# KiCad board Lab2_starter 2.kicad_pcb
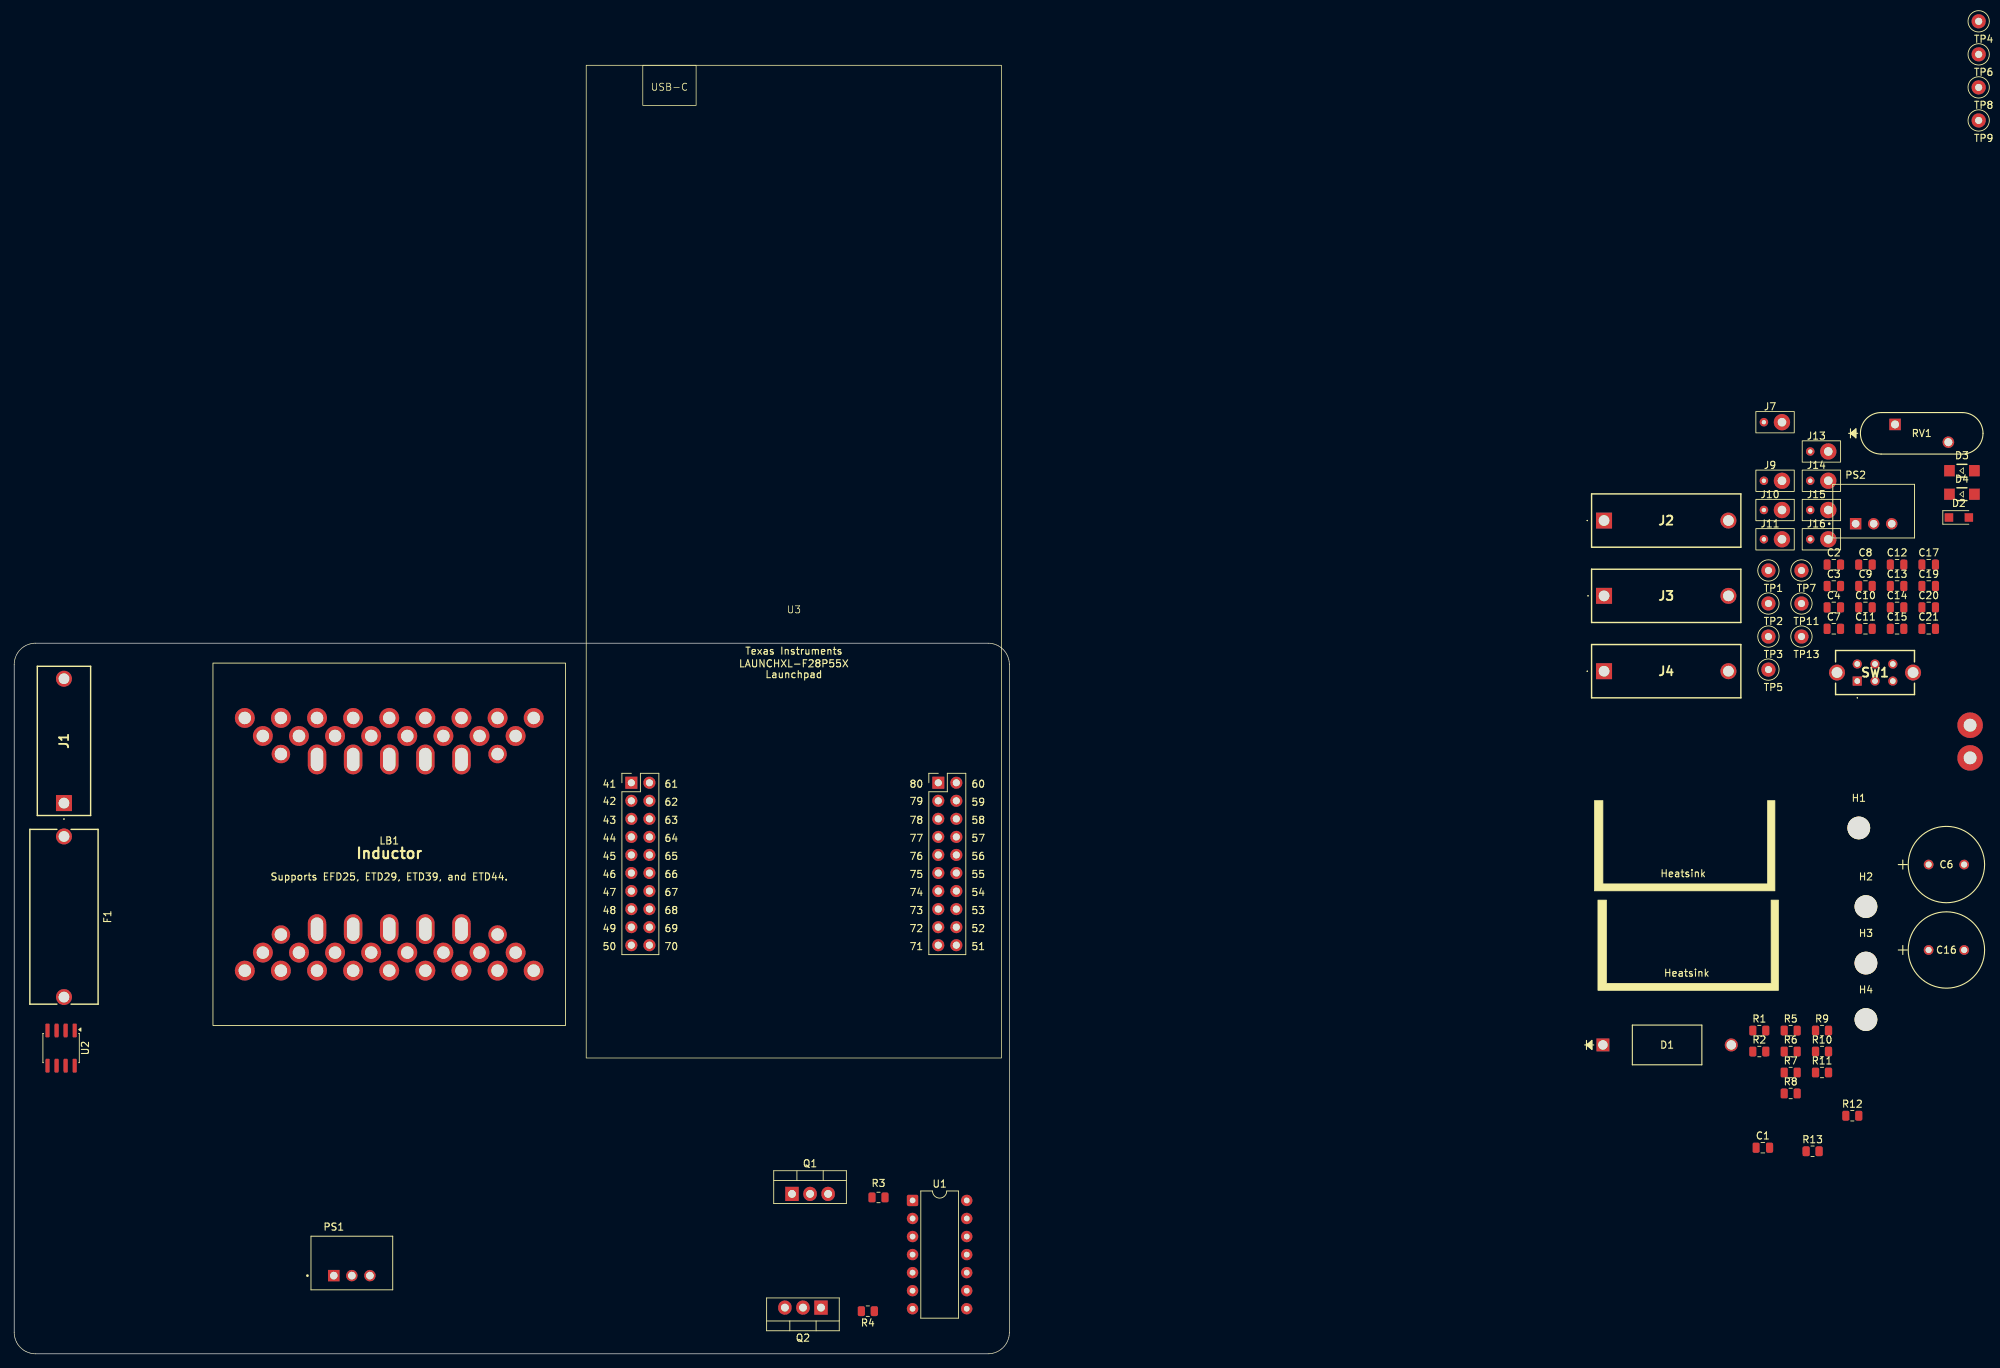
[diagram p0: board, top side]
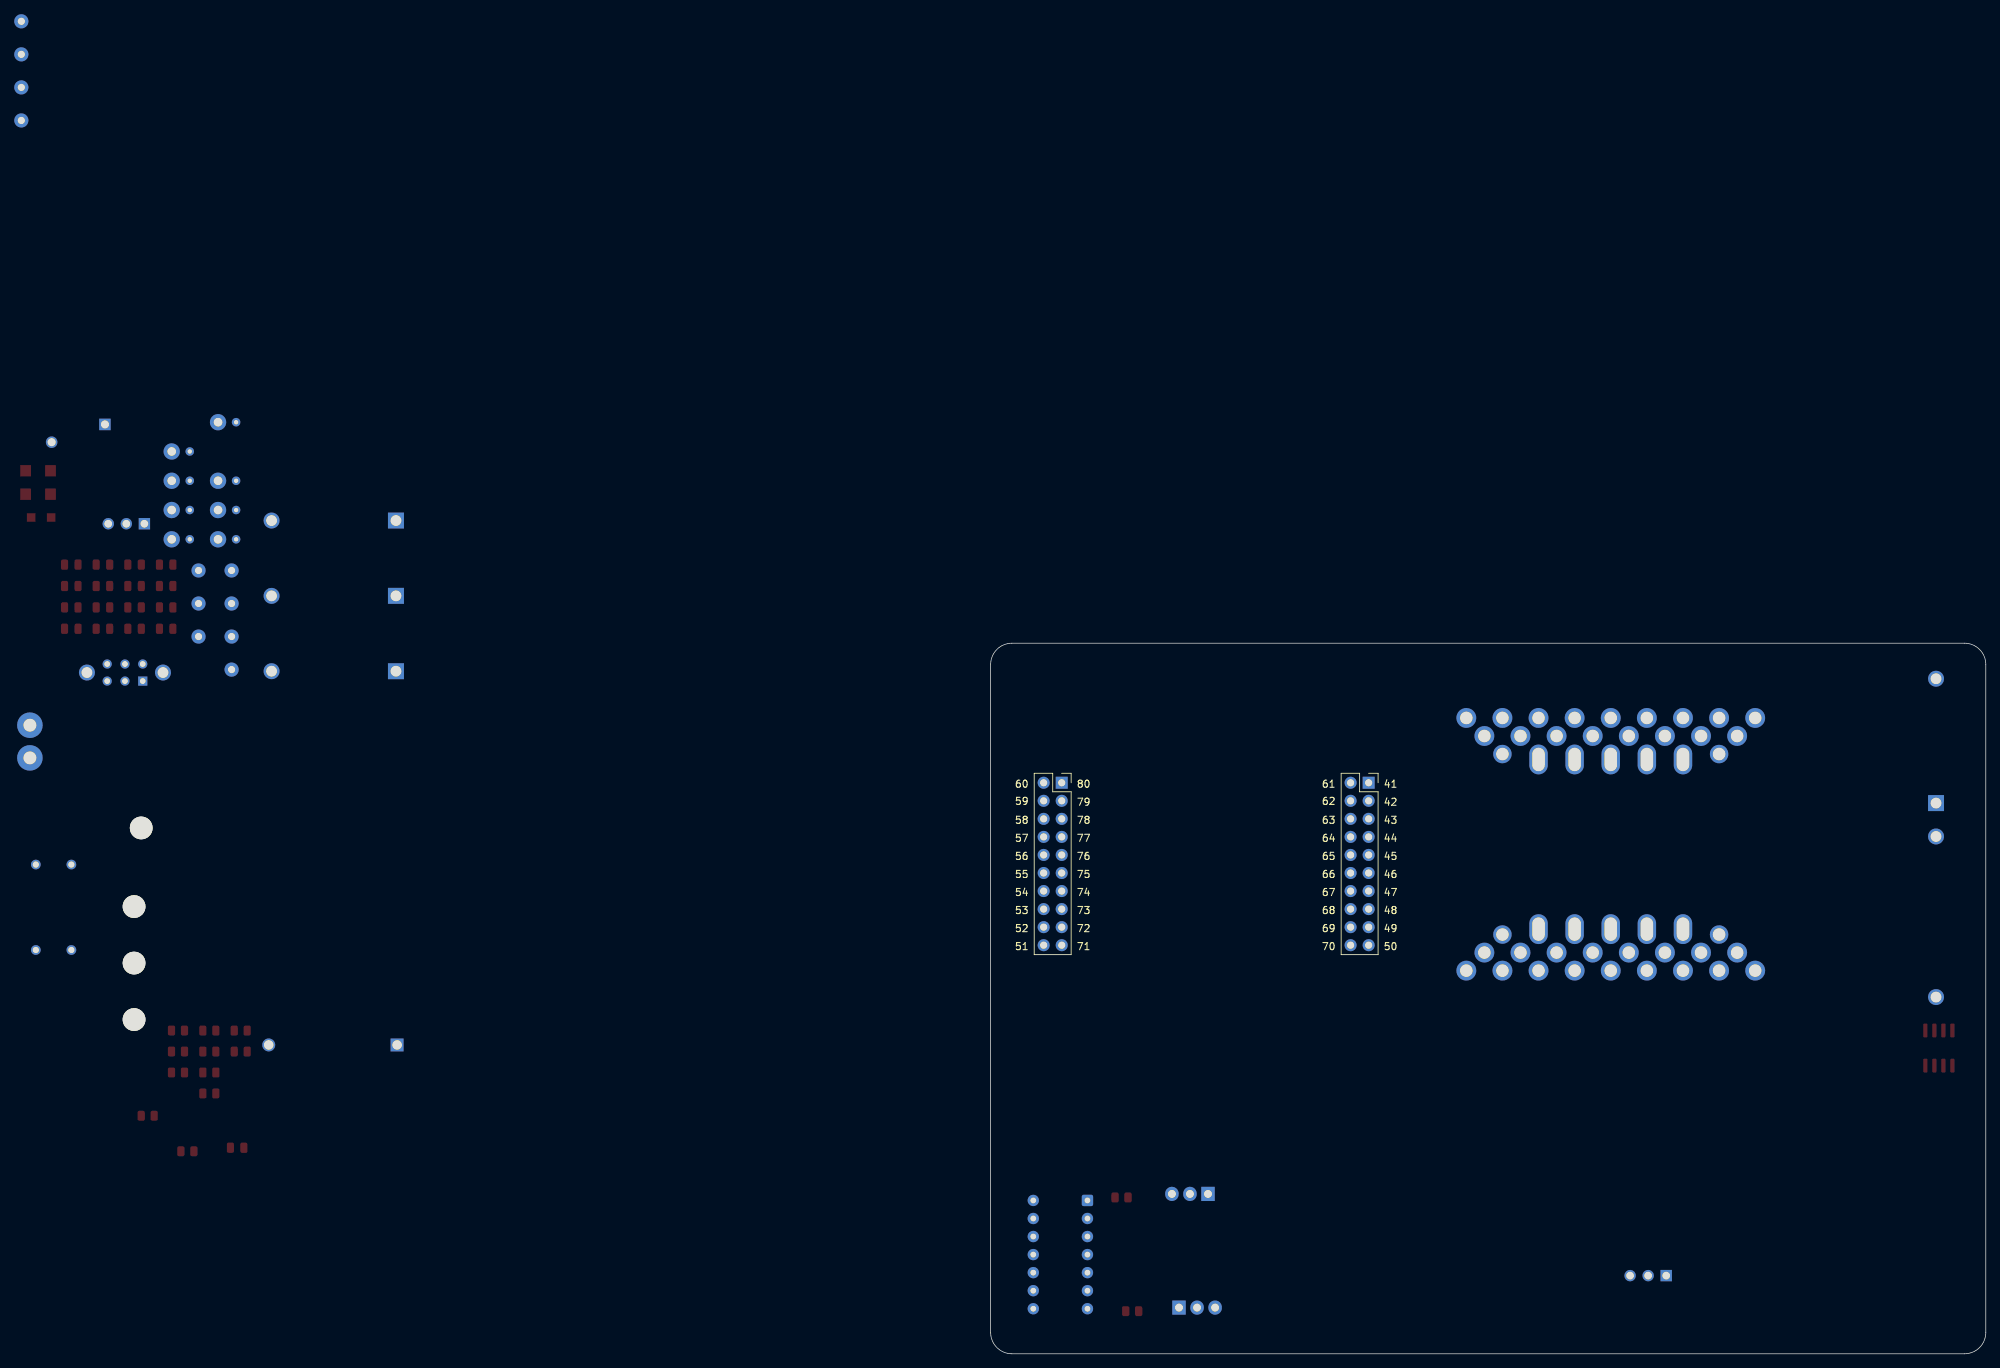
[diagram p1: board, bottom side, seen from below]

Outline 140 x 100 mm; copper layers: Top, In1.Cu, In2.Cu, Bottom. Coordinates in mm from the lower left corner of the outline.
Outline path: 0,97 arc(0.88,99.12) 3,100 137,100 arc(139.12,99.12) 140,97 140,3 arc(139.12,0.88) 137,0 3,0 arc(0.88,0.88) 0,3 0,97
Stack: Top 0.035mm / dielectric 0.1mm FR4 er 4.5 / In1.Cu 0.035mm / dielectric 1.24mm FR4 er 4.5 / In2.Cu 0.035mm / dielectric 0.1mm FR4 er 4.5 / Bottom 0.035mm

## Placement (name value [footprint] x y rotation side)
C1  100pF  [C_0805_2012Metric]  246 29 0 top
C2  0.1μF  [C_0805_2012Metric]  255.99 111.06 0 top
C3  4.7μF  [C_0805_2012Metric]  255.99 108.05 0 top
C4  0.1μF  [C_0805_2012Metric]  255.99 105.03 0 top
C6  100uF  [16PX2200MEFC10X20]  269.33 68.85 0 top
C7  10uF  [C_0805_2012Metric]  255.99 102.03 0 top
C8  100pF  [C_0805_2012Metric]  260.44 111.06 0 top
C9  0.01μF  [C_0805_2012Metric]  260.44 108.05 0 top
C10  10uF  [C_0805_2012Metric]  260.44 105.03 0 top
C11  100pF  [C_0805_2012Metric]  260.44 102.03 0 top
C12  0.1μF  [C_0805_2012Metric]  264.88 111.06 0 top
C13  10uF  [C_0805_2012Metric]  264.88 108.05 0 top
C14  100pF  [C_0805_2012Metric]  264.88 105.03 0 top
C15  1μF  [C_0805_2012Metric]  264.88 102.03 0 top
C16  100uF  [16PX2200MEFC10X20]  269.33 56.82 0 top
C17  10uF  [C_0805_2012Metric]  269.33 111.06 0 top
C19  1μF  [C_0805_2012Metric]  269.33 108.05 0 top
C20  0.1μF  [C_0805_2012Metric]  269.33 105.03 0 top
C21  1μF  [C_0805_2012Metric]  269.33 102.03 0 top
D1  D_Zener  [1.5KE75A]  223.5 43.46 0 top
D2  PMEG10020ELR  [Nexperia_CFP3_SOD-123W]  273.58 117.69 0 top
D3  RED LED  [WL-SMRW_1206_REC]  274.01 124.27 0 top
D4  GREEN LED  [WL-SMRW_1206_REC]  274.01 120.97 0 top
F1  Fuse  [696108003002]  7 61.5 270 top
H1  MountingHole  [MountingHole_3.2mm_M3]  259.5 74 0 top
H2  MountingHole  [MountingHole_3.2mm_M3]  260.5 62.94 0 top
H3  MountingHole  [MountingHole_3.2mm_M3]  260.5 54.99 0 top
H4  MountingHole  [MountingHole_3.2mm_M3]  260.5 47.03 0 top
HS1  Heatsink  [HSS-B20-NPS-01]  235 71.5 0 top
HS2  Heatsink  [HSS-B20-NPS-01]  235.5 57.5 0 top
J1  -  [973582101]  7 77.5 90 top
J2  -  [973582100]  223.66 117.26 0 top
J3  -  [973582101]  223.66 106.66 0 top
J4  -  [973582100]  223.66 96.06 0 top
J5  Conn_01x01  [Inductor_wire_conn]  275.16 88.46 0 top
J6  Conn_01x01  [Inductor_wire_conn]  275.16 83.86 0 top
J7  Conn_01x02  [TP]  247.42 131.1 0 top
J9  Conn_01x02  [TP]  247.42 122.86 0 top
J10  Conn_01x02  [TP]  247.42 118.74 0 top
J11  Conn_01x02  [TP]  247.42 114.62 0 top
J13  Conn_01x02  [TP]  253.94 126.98 0 top
J14  Conn_01x02  [TP]  253.94 122.86 0 top
J15  Conn_01x02  [TP]  253.94 118.74 0 top
J16  Conn_01x02  [TP]  253.94 114.62 0 top
LB1  ~  [InductorBobbin]  52.76 71.7 0 top
PS1  -  [R-78K3.3-1.0]  47.5 12.78 0 top
PS2  -  [R-78K12-0.5]  261.59 118.59 0 top
Q1  NMOS  [TO-220-3_Vertical]  109.42 22.5 0 top
Q2  NMOS  [TO-220-3_Vertical]  113.5 6.5 180 top
R1  82.5k  [R_0805_2012Metric]  245.5 45.49 0 top
R2  3.3k  [R_0805_2012Metric]  245.5 42.53 0 top
R3  1  [R_0805_2012Metric]  121.59 22 0 top
R4  1  [R_0805_2012Metric]  120.09 6 180 top
R5  30.1k  [R_0805_2012Metric]  249.92 45.49 0 top
R6  3.3k  [R_0805_2012Metric]  249.92 42.53 0 top
R7  3.3k  [R_0805_2012Metric]  249.92 39.59 0 top
R8  3.3k  [R_0805_2012Metric]  249.92 36.63 0 top
R9  3.3k  [R_0805_2012Metric]  254.32 45.49 0 top
R10  3.3k  [R_0805_2012Metric]  254.32 42.53 0 top
R11  3.3k  [R_0805_2012Metric]  254.32 39.59 0 top
R12  3.3k  [R_0805_2012Metric]  258.59 33.5 0 top
R13  6  [R_0805_2012Metric]  253 28.5 0 top
RV1  Varistor  [V100ZA15P]  264.6 130.79 0 top
SW1  SW_Push_DPDT  [SLW1116297AD]  259.29 94.67 0 top
TP1  TestPoint  [TestPoint_Loop_D1.80mm_Drill1.0mm_Beaded]  246.79 110.23 0 top
TP2  TestPoint  [TestPoint_Loop_D1.80mm_Drill1.0mm_Beaded]  246.79 105.58 0 top
TP3  TestPoint  [TestPoint_Loop_D1.80mm_Drill1.0mm_Beaded]  246.79 100.94 0 top
TP4  TestPoint  [TestPoint_Loop_D1.80mm_Drill1.0mm_Beaded]  276.37 187.51 0 top
TP5  TestPoint  [TestPoint_Loop_D1.80mm_Drill1.0mm_Beaded]  246.79 96.28 0 top
TP6  TestPoint  [TestPoint_Loop_D1.80mm_Drill1.0mm_Beaded]  276.37 182.87 0 top
TP7  TestPoint  [TestPoint_Loop_D1.80mm_Drill1.0mm_Beaded]  251.44 110.23 0 top
TP8  TestPoint  [TestPoint_Loop_D1.80mm_Drill1.0mm_Beaded]  276.37 178.22 0 top
TP9  TestPoint  [TestPoint_Loop_D1.80mm_Drill1.0mm_Beaded]  276.37 173.56 0 top
TP11  TestPoint  [TestPoint_Loop_D1.80mm_Drill1.0mm_Beaded]  251.44 105.58 0 top
TP13  TestPoint  [TestPoint_Loop_D1.80mm_Drill1.0mm_Beaded]  251.44 100.94 0 top
U1  IR2010  [DIP-14_W7.62mm]  126.38 21.58 0 top
U2  CT416-HSN820DR  [SOIC-8_3.9x4.9mm_P1.27mm]  6.59 43.03 270 top
U3  -  [LAUNCHXL-F28P55X_BottomHalf]  109.68 100.68 0 top

## Library data of the parts
C1 C2 C7 C8 C10 C11 C13 C14 C17 = -: Description: Unpolarized capacitor, small symbol; ki_fp_filters: C_*
C3 = -: Description: Cboot; ki_fp_filters: C_*
C4 = -: Description: Cbypass; ki_fp_filters: C_*
C6 C16 = -: Description: Polarized capacitor, US symbol; ki_fp_filters: CP_*
C9 C12 C15 C19-C21 = -: ki_fp_filters: C_*
D1 = -: ki_fp_filters: TO-???* *_Diode_* *SingleDiode* D_*
D2 = -: Datasheet: kicad-embed://PMEG10020ELR.pdf; Description: boostrap diode; ki_fp_filters: Nexperia*CFP3*SOD?123W*
D3 = -: Description: SHUTDOWN; ki_fp_filters: LED* LED_SMD:* LED_THT:*
D4 = -: Description: SWITCHING; ki_fp_filters: LED* LED_SMD:* LED_THT:*
F1 = -: ki_fp_filters: *Fuse*
H1-H4 = -: Description: Mounting Hole without connection; ki_fp_filters: MountingHole*
HS1 HS2 = -: Datasheet: kicad-embed://hss-b20-npx-01.pdf; ki_fp_filters: Heatsink_*
J1 J3 = -: Description: Generic connector, single row, 01x01, script generated (kicad-library-utils/schlib/autogen/connector/); Color: RED; ki_fp_filters: Connector*:*_1x??_*
J2 J4 = -: Description: Generic connector, single row, 01x01, script generated (kicad-library-utils/schlib/autogen/connector/); Color: BLACK; ki_fp_filters: Connector*:*_1x??_*
J5 J6 = -: Description: Generic connector, single row, 01x01, script generated (kicad-library-utils/schlib/autogen/connector/); ki_fp_filters: Connector*:*_1x??_*
J7 J9-J11 J13-J16 = -: Description: Generic connector, single row, 01x02, script generated (kicad-library-utils/schlib/autogen/connector/); ki_fp_filters: Connector*:*_1x??_*
PS1 = -: Datasheet: kicad-embed://R-78K-1.0.pdf; PARTREV: 6; STANDARD: Manufacturer Recommendations; MAXIMUM_PACKAGE_HEIGHT: 10.40mm; MANUFACTURER: RECOM
PS2 = -: Datasheet: kicad-embed://R-78K-0.5.pdf; ki_fp_filters: R-78E-0.5_RCP
Q1 Q2 = -: Description: N-MOSFET transistor, gate/drain/source; Sim.Type: VDMOS; Sim.Pins: 1=D 2=G 3=S
R1 R2 R5 R6 R10 R11 = -: ki_fp_filters: R_*
R3 R4 = -: Description: gate resistor; ki_fp_filters: R_*
R7-R9 R12 R13 = -: Description: Resistor, small symbol; ki_fp_filters: R_*
RV1 = -: Sim.Name: kicad_builtin_varistor; Sim.Device: SUBCKT; Sim.Pins: 1=A 2=B; Sim.Params: threshold=1k; ki_fp_filters: RV_* Varistor*
TP1-TP9 TP11 TP13 = -: ki_fp_filters: Pin* Test*
U1 = -: Datasheet: kicad-embed://infineon-ir2010-ds-en.pdf; Description: High and Low Side Driver, 200V, 3.0/3.0A, PDIP-14; ki_fp_filters: DIP*W7.62mm*
U2 = -: Datasheet: kicad-embed://CT416-Datasheet.pdf

## Footprints (pads in the part's own frame, mm; a bottom-side part is the same pattern mirrored in y, then rotated)
1.5KE75A
  rect 1.829x1.829 hole 1.321: 1(0,0)
  round 1.829 hole 1.321: 2(18.059,0)
16PX2200MEFC10X20
  round 1.372 hole 0.864: 1(0,0) 2(5,0)
973582100
  rect 2.25x2.25 hole 1.5: 1(0,0)
  round 2.25 hole 1.5: 1(17.5,0)
973582101
  rect 2.25x2.25 hole 1.5: 1(0,0)
  round 2.25 hole 1.5: 1(17.5,0)
696108003002
  round 2.25 hole 1.5: 1(-11.3,0) 2(11.3,0)
C_0805_2012Metric
  rrect 1x1.45 smd: 1(-0.95,0) 2(0.95,0)
DIP-14_W7.62mm
  rrect 1.6x1.6 hole 0.8: 1(0,0)
  round 1.6 hole 0.8: 2(0,-2.54) 3(0,-5.08) 4(0,-7.62) 5(0,-10.16) 6(0,-12.7) 7(0,-15.24) 8(7.62,-15.24) 9(7.62,-12.7) 10(7.62,-10.16) 11(7.62,-7.62) 12(7.62,-5.08) 13(7.62,-2.54) 14(7.62,0)
Inductor_wire_conn
  round 3.6 hole 1.8: 1(0,0)
InductorBobbin
  round 2.8 hole 1.75: (-20.32,17.78) (-20.32,-17.78) (-17.78,15.24) (-17.78,-15.24) (-15.24,17.78) (-15.24,-17.78) (-12.7,15.24) (-12.7,-15.24) (-10.16,17.78) (-10.16,-17.78) (-7.62,15.24) (-7.62,-15.24) (-5.08,17.78) (-5.08,-17.78) (-2.54,15.24) (-2.54,-15.24) (0,17.78) (0,-17.78) (2.54,15.24) (2.54,-15.24) (5.08,17.78) (5.08,-17.78) (7.62,15.24) (7.62,-15.24) (10.16,17.78) (10.16,-17.78) (12.7,15.24) (12.7,-15.24) (15.24,17.78) (15.24,-17.78) (17.78,15.24) (17.78,-15.24) (20.32,17.78) (20.32,-17.78)
  round 2.6 hole 1.75: (-15.24,12.7) (-15.24,-12.7) (15.24,12.7) (15.24,-12.7)
  oval 2.6x4.2 hole 1.75x3.28: (-10.16,11.938) (-10.16,-11.938) (-5.08,11.938) (-5.08,-11.938) (0,11.938) (0,-11.938) (5.08,11.938) (5.08,-11.938) (10.16,11.938) (10.16,-11.938)
LAUNCHXL-F28P55X_BottomHalf
  rect 1.7x1.7 hole 1: 41(-22.86,-20.32) 80(20.32,-20.32)
  oval 1.7x1.7 hole 1: 42(-22.86,-22.86) 43(-22.86,-25.4) 44(-22.86,-27.94) 45(-22.86,-30.48) 46(-22.86,-33.02) 47(-22.86,-35.56) 48(-22.86,-38.1) 49(-22.86,-40.64) 50(-22.86,-43.18) 51(22.86,-43.18) 52(22.86,-40.64) 53(22.86,-38.1) 54(22.86,-35.56) 55(22.86,-33.02) 56(22.86,-30.48) 57(22.86,-27.94) 58(22.86,-25.4) 59(22.86,-22.86) 60(22.86,-20.32) 61(-20.32,-20.32) 62(-20.32,-22.86) 63(-20.32,-25.4) 64(-20.32,-27.94) 65(-20.32,-30.48) 66(-20.32,-33.02) 67(-20.32,-35.56) 68(-20.32,-38.1) 69(-20.32,-40.64) 70(-20.32,-43.18) 71(20.32,-43.18) 72(20.32,-40.64) 73(20.32,-38.1) 74(20.32,-35.56) 75(20.32,-33.02) 76(20.32,-30.48) 77(20.32,-27.94) 78(20.32,-25.4) 79(20.32,-22.86)
MountingHole_3.2mm_M3
  round 3.2 hole 3.2 unplated: (0,0)
Nexperia_CFP3_SOD-123W
  rect 1.2x1.2 smd: 1(-1.4,0) 2(1.4,0)
R-78K3.3-1.0
  rect 1.605x1.605 hole 1.07: 1(-2.54,-1.775)
  round 1.605 hole 1.07: 2(0,-1.775) 3(2.54,-1.775)
R-78K12-0.5
  rect 1.605x1.605 hole 1.07: 1(-2.54,-1.775)
  round 1.605 hole 1.07: 2(0,-1.775) 3(2.54,-1.775)
R_0805_2012Metric
  rrect 1.025x1.4 smd: 1(-0.912,0) 2(0.912,0)
SLW1116297AD
  round 2.25 hole 1.5: (-2.85,1.2) (7.85,1.2)
  rect 1.3x1.3 hole 0.8: 1(0,0)
  round 1.3 hole 0.8: 2(2.5,0) 3(5,0) 4(5,2.4) 5(2.5,2.4) 6(0,2.4)
SOIC-8_3.9x4.9mm_P1.27mm
  rrect 1.95x0.6 smd: 1(-2.475,1.905) 2(-2.475,0.635) 3(-2.475,-0.635) 4(-2.475,-1.905) 5(2.475,-1.905) 6(2.475,-0.635) 7(2.475,0.635) 8(2.475,1.905)
TestPoint_Loop_D1.80mm_Drill1.0mm_Beaded
  round 2 hole 1: 1(0,0)
TO-220-3_Vertical
  rect 1.905x2 hole 1.1: 1(0,0)
  oval 1.905x2 hole 1.1: 2(2.54,0) 3(5.08,0)
TP
  round 2.3 hole 1.2: 1(1.27,0)
  round 1.2 hole 0.6: 2(-1.27,0)
V100ZA15P
  rect 1.626x1.626 hole 1.118: 1(0,0)
  round 1.626 hole 1.118: 2(7.5,-2.5)
WL-SMRW_1206_REC
  rect 1.5x1.6 smd: 1(-1.75,0) 2(1.75,0)

## Nets
+3.3V: C2.1 C4.1 C10.1 C20.1 C21.1 PS1.3 R12.2 SW1.1 SW1.5 TP5.1 U1.9 U2.8 U3.41
+12V: C17.1 C19.1 PS2.3 R13.2 TP3.1 U1.3
GND: C1.2 C2.2 C4.2 C6.2 C7.2 C8.2 C9.2 C10.2 C11.2 C12.2 C13.2 C14.2 C15.2 C16.2 C17.2 C19.2 C20.2 C21.2 D1.2 J2.1 J4.1 J7.1 J9.1 J10.1 J11.1 J13.1 J14.1 J15.1 J16.1 PS1.2 PS2.2 Q1.3 R2.2 R6.2 R10.2 R11.2 RV1.2 SW1.3 TP2.1 TP7.1 TP11.1 TP13.1 U1.2 U1.13 U2.5 U3.60 U3.62
Vin: C6.1 C7.1 C13.1 F1.2 PS1.1 PS2.1 R5.1 TP4.1 U2.1 U2.2
Vin_sens: J14.2 R5.2 R6.1 R9.2
Vin_Unfused: F1.1 J1.1 TP1.1
/ADCINA0: C11.1 R8.1 U3.70
/ADCINA4: C14.1 R9.1 U3.66
/ADCINA12: C8.1 R7.1 U3.69
/L_in: J6.1 U2.3 U2.4
C2000 D : J7.2 U1.12 U3.80
C2000 D': J11.2 U1.10 U3.79
D: J9.2 Q1.1 R3.1
D': Q2.1 R4.1 TP9.1
I_L: J16.2 R7.2 U2.7
SD: R12.1 SW1.2 U1.11
Vboot: C3.1 D2.1 TP6.1 U1.6
Vout: C9.1 C12.1 C15.1 C16.1 D1.1 J3.1 J13.2 Q2.2 R1.1 RV1.1
Vout_sens: J15.2 R1.2 R2.1 R8.2
Vsw: C3.2 J5.1 J10.2 Q1.2 Q2.3 TP8.1 U1.5
Net-(D2-A): D2.2 R13.1
Net-(D3-A): D3.2 SW1.6
Net-(D3-K): D3.1 R10.1
Net-(D4-A): D4.2 SW1.4
Net-(D4-K): D4.1 R11.1
Net-(U1-HO): R4.2 U1.7
Net-(U1-LO): R3.2 U1.1
Net-(U2-FILTER): C1.1 U2.6

Pads without a net: U1 4 8 14; U3 42 43 44 45 46 47 48 49 50 51 52 53 54 55 56 57 58 59 61 63 64 65 67 68 71 72 73 74 75 76 77 78

## Text on the board
User.2: PCB MAX SIZE REFERENCE (actual board edge is grey: Edge.Cuts)
